# KiCad board board.kicad_pcb
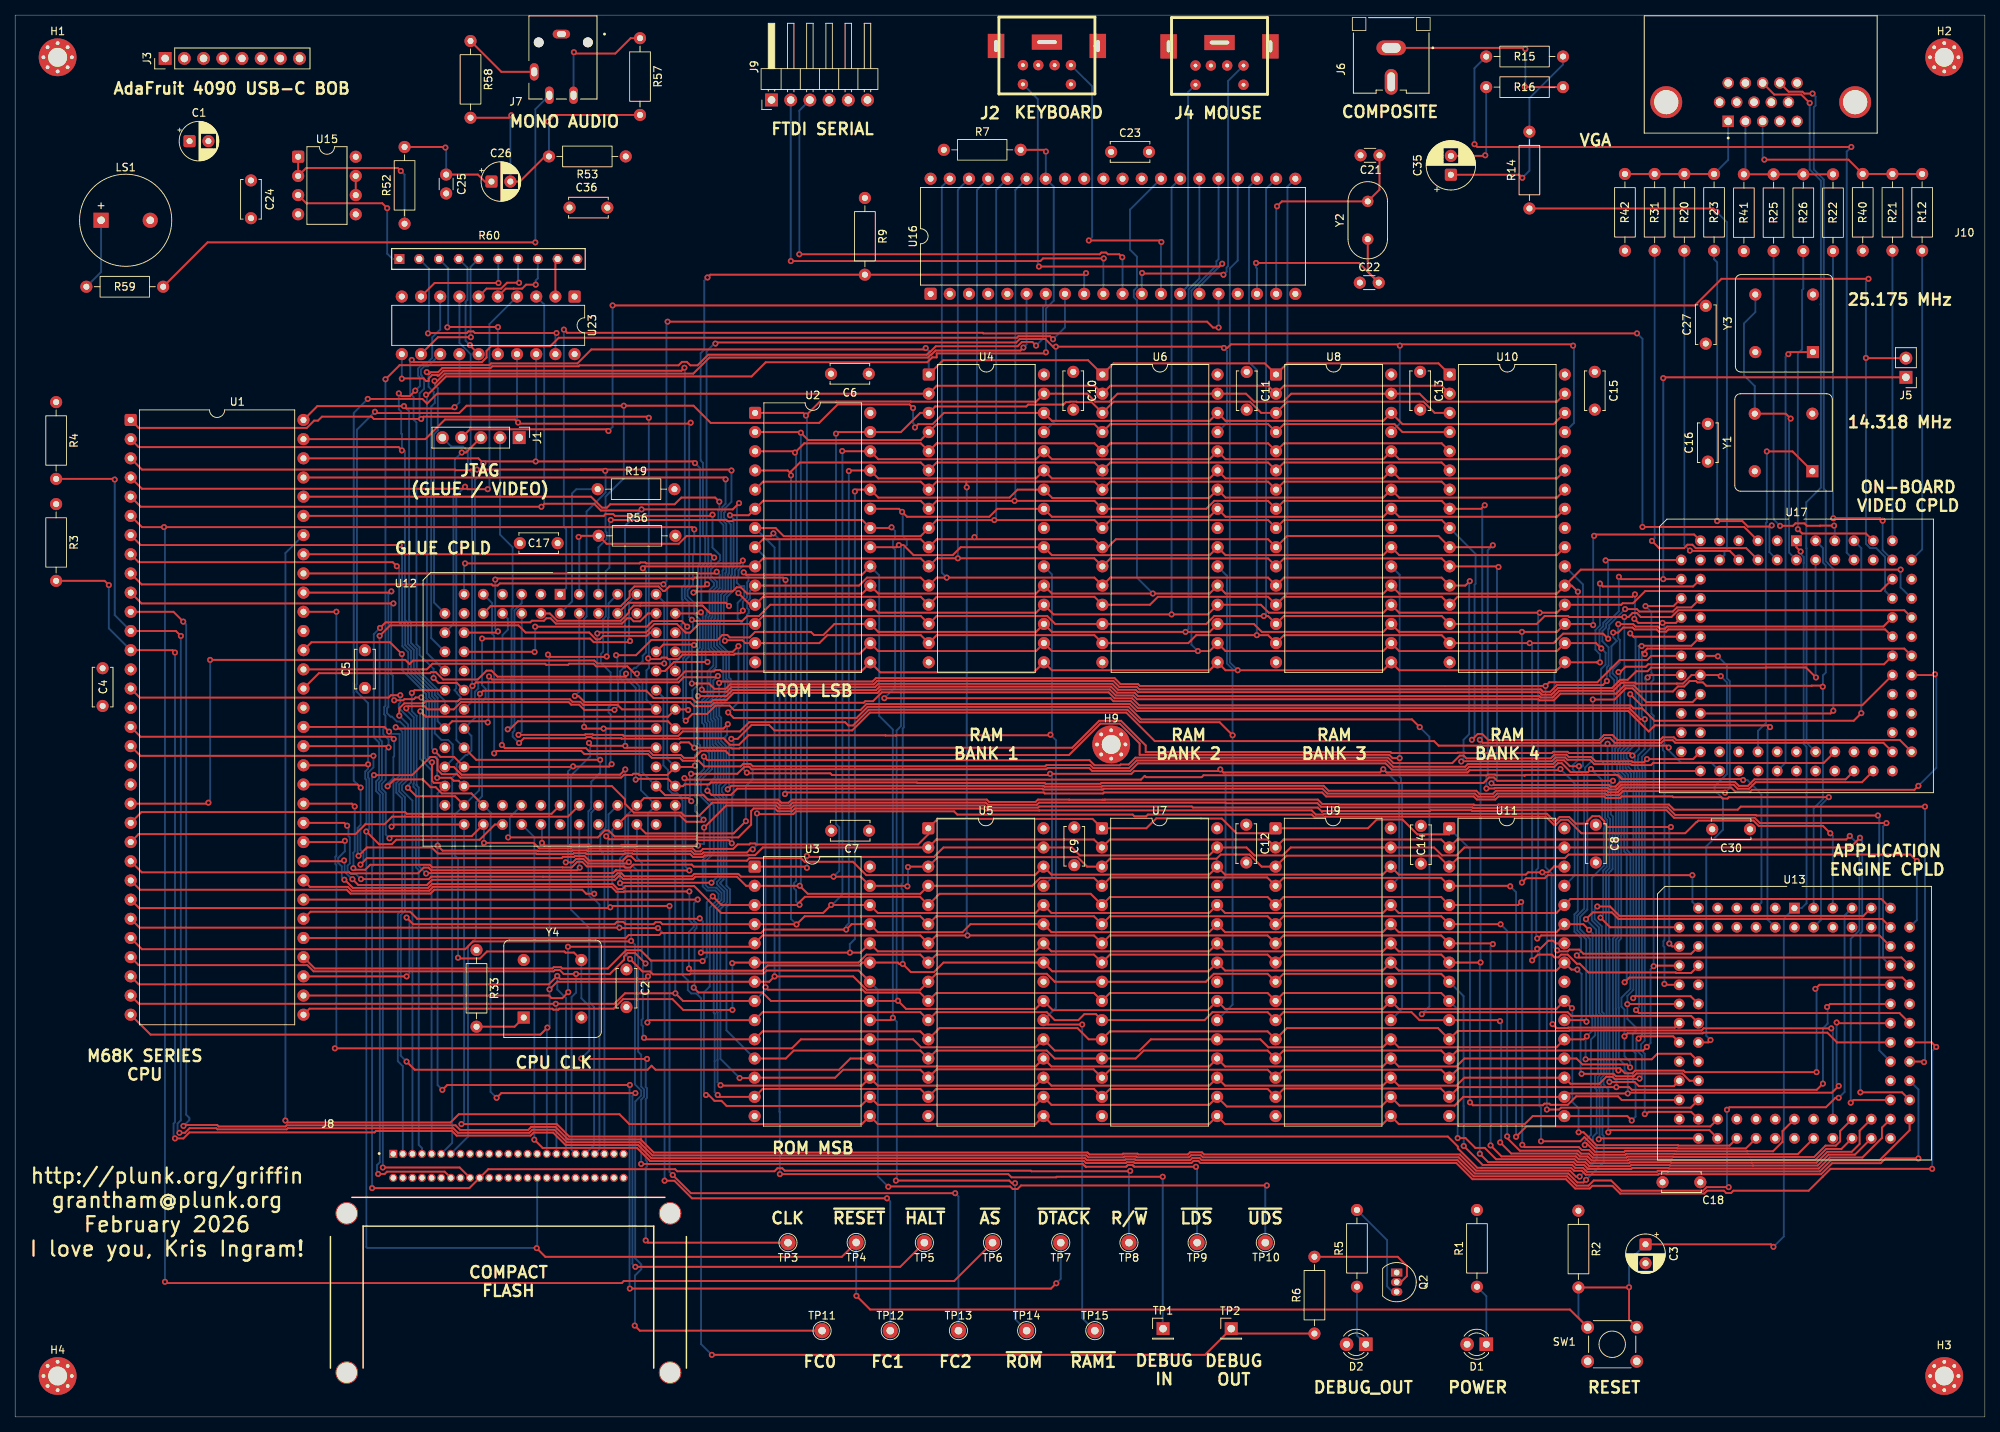
[diagram p0: board, top side]
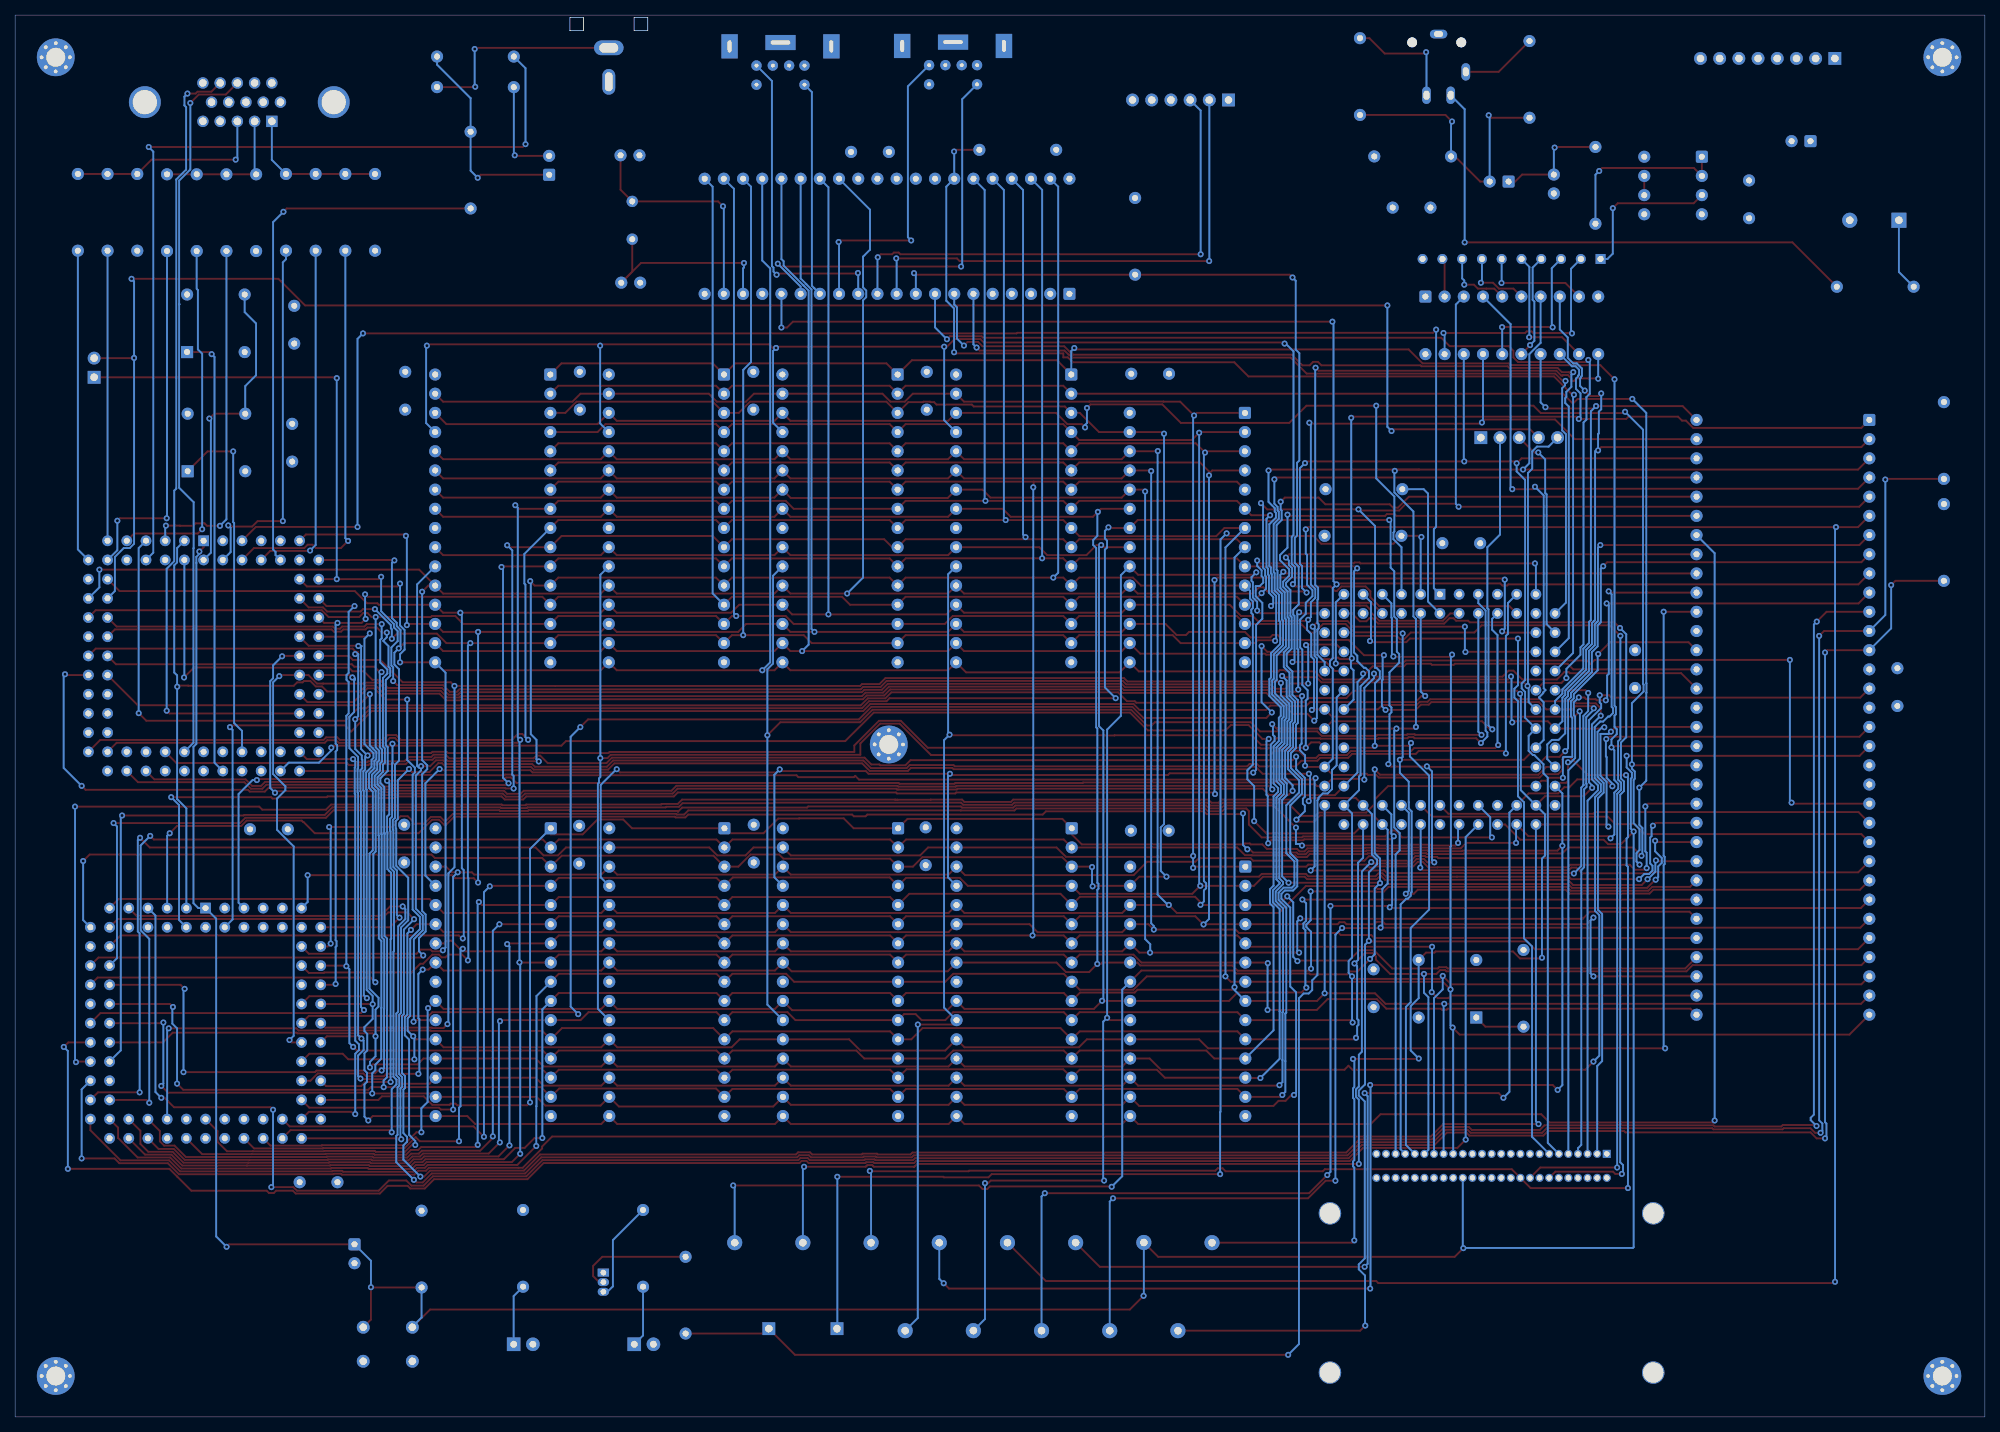
[diagram p1: board, bottom side, seen from below]

Outline 260.6 x 185.57 mm; copper layers: Top, In1.Cu, In2.Cu, Bottom. Coordinates in mm from the lower left corner of the outline.
Outline path: rectangle 0,185.57 260.6,0
Stack: Top 0.035mm / dielectric 0.1mm FR4 er 4.5 / In1.Cu 0.035mm / dielectric 1.24mm FR4 er 4.5 / In2.Cu 0.035mm / dielectric 0.1mm FR4 er 4.5 / Bottom 0.035mm

## Placement (name value [footprint] x y rotation side)
C1  10uF  [CP_Radial_D5.0mm_P2.50mm]  23.08 168.89 0 top
C2  100nF  [C_Disc_D5.0mm_W2.5mm_P5.00mm]  80.88 59.25 270 top
C3  10uF  [CP_Radial_D5.0mm_P2.50mm]  215.7 22.85 270 top
C4  100nF  [C_Disc_D5.0mm_W2.5mm_P5.00mm]  11.58 99.12 270 top
C5  100nF  [C_Disc_D5.0mm_W2.5mm_P5.00mm]  46.28 96.5 90 top
C6  100nF  [C_Disc_D5.0mm_W2.5mm_P5.00mm]  112.94 138.09 180 top
C7  100nF  [C_Disc_D5.0mm_W2.5mm_P5.00mm]  112.98 77.61 180 top
C8  100nF  [C_Disc_D5.0mm_W2.5mm_P5.00mm]  209.13 78.4 270 top
C9  100nF  [C_Disc_D5.0mm_W2.5mm_P5.00mm]  140.13 78.05 270 top
C10  100nF  [C_Disc_D5.0mm_W2.5mm_P5.00mm]  139.99 138.34 270 top
C11  100nF  [C_Disc_D5.0mm_W2.5mm_P5.00mm]  162.94 138.34 270 top
C12  100nF  [C_Disc_D5.0mm_W2.5mm_P5.00mm]  162.88 78.4 270 top
C13  100nF  [C_Disc_D5.0mm_W2.5mm_P5.00mm]  185.89 138.34 270 top
C14  100nF  [C_Disc_D5.0mm_W2.5mm_P5.00mm]  185.98 78.25 270 top
C15  100nF  [C_Disc_D5.0mm_W2.5mm_P5.00mm]  208.99 138.34 270 top
C16  100nF  [C_Disc_D5.0mm_W2.5mm_P5.00mm]  223.95 126.47 90 top
C17  100nF  [C_Disc_D5.0mm_W2.5mm_P5.00mm]  71.78 115.67 180 top
C18  100nF  [C_Disc_D5.0mm_W2.5mm_P5.00mm]  217.95 31.07 0 top
C21  15pF  [C_Disc_D3.0mm_W1.6mm_P2.50mm]  180.5 167.02 180 top
C22  15pF  [C_Disc_D3.0mm_W1.6mm_P2.50mm]  177.9 150.16 0 top
C23  100nF  [C_Disc_D5.0mm_W2.5mm_P5.00mm]  145 167.47 0 top
C24  100nF  [C_Disc_D5.0mm_W2.5mm_P5.00mm]  31.2 163.69 270 top
C25  10nF  [C_Disc_D3.0mm_W1.6mm_P2.50mm]  57.03 164.47 270 top
C26  100µF  [CP_Radial_D5.0mm_P2.50mm]  63.02 163.54 0 top
C27  100nF  [C_Disc_D5.0mm_W2.5mm_P5.00mm]  223.68 142.09 90 top
C30  100nF  [C_Disc_D5.0mm_W2.5mm_P5.00mm]  229.52 77.8 180 top
C35  220µF  [CP_Radial_D6.3mm_P2.50mm]  189.95 164.44 90 top
C36  100nF  [C_Disc_D5.0mm_W2.5mm_P5.00mm]  73.35 160.09 0 top
D1  GREEN  [LED_D3.0mm]  194.64 9.62 180 top
D2  RED  [LED_D3.0mm]  178.69 9.62 180 top
H1  MountingHole  [MountingHole_2.5mm_Pad_Via]  5.62 179.99 0 top
H2  MountingHole  [MountingHole_2.5mm_Pad_Via]  255.23 179.99 0 top
H3  MountingHole  [MountingHole_2.5mm_Pad_Via]  255.23 5.42 0 top
H4  MountingHole  [MountingHole_2.5mm_Pad_Via]  5.62 5.42 0 top
H9  MountingHole  [MountingHole_2.5mm_Pad_Via]  145.01 89.02 0 top
J1  Conn_01x05_Pin  [PinHeader_1x05_P2.54mm_Vertical]  66.69 129.64 270 top
J2  KEYBOARD  [Mini_din6]  136.51 180.22 180 top
J3  AdaFruit 4090 USB-C BOB  [PinHeader_1x08_P2.54mm_Vertical]  19.85 179.84 90 top
J4  MOUSE  [Mini_din6]  159.34 180.17 180 top
J5  VIDEO_JTAG_BYPASS  [PinHeader_1x02_P2.54mm_Vertical]  250.15 137.62 180 top
J6  COMPOSITE  [CUI_RCJ-044]  182.06 181.24 90 top
J7  STEREO_OUT  [SAMESKY_SJ3-35063B]  72.28 183.06 180 top
J8  CF Card  [SAMTEC_CFT-125-01-L-D-RA-01-SL]  65.26 26.95 0 top
J9  FTDI serial  [PinHeader_1x06_P2.54mm_Horizontal]  100.07 174.34 90 top
J10  VGA  [AMPHENOL_ICD15S13E4GX00LF]  230.94 174.05 180 top
LS1  Speaker  [MagneticBuzzer_StarMicronics_QMX]  11.38 158.42 0 top
Q2  PN2222A  [TO-92_Inline]  182.77 19.11 270 top
R1  100  [R_Axial_DIN0207_L6.3mm_D2.5mm_P10.16mm_Horizontal]  193.4 17.23 90 top
R2  10K  [R_Axial_DIN0207_L6.3mm_D2.5mm_P10.16mm_Horizontal]  206.82 27.3 270 top
R3  100K  [R_Axial_DIN0207_L6.3mm_D2.5mm_P10.16mm_Horizontal]  5.42 120.84 270 top
R4  100K  [R_Axial_DIN0207_L6.3mm_D2.5mm_P10.16mm_Horizontal]  5.42 134.34 270 top
R5  100  [R_Axial_DIN0207_L6.3mm_D2.5mm_P10.16mm_Horizontal]  177.52 17.23 90 top
R6  10k  [R_Axial_DIN0207_L6.3mm_D2.5mm_P10.16mm_Horizontal]  171.9 11.04 90 top
R7  10K  [R_Axial_DIN0207_L6.3mm_D2.5mm_P10.16mm_Horizontal]  122.87 167.74 0 top
R9  10K  [R_Axial_DIN0207_L6.3mm_D2.5mm_P10.16mm_Horizontal]  112.43 161.37 270 top
R12  560  [R_Axial_DIN0207_L6.3mm_D2.5mm_P10.16mm_Horizontal]  252.3 164.55 270 top
R14  1K  [R_Axial_DIN0207_L6.3mm_D2.5mm_P10.16mm_Horizontal]  200.34 159.98 90 top
R15  430  [R_Axial_DIN0207_L6.3mm_D2.5mm_P10.16mm_Horizontal]  194.62 180.09 0 top
R16  33  [R_Axial_DIN0207_L6.3mm_D2.5mm_P10.16mm_Horizontal]  194.62 176.04 0 top
R19  10K  [R_Axial_DIN0207_L6.3mm_D2.5mm_P10.16mm_Horizontal]  77.07 122.81 0 top
R20  560  [R_Axial_DIN0207_L6.3mm_D2.5mm_P10.16mm_Horizontal]  220.84 164.55 270 top
R21  270  [R_Axial_DIN0207_L6.3mm_D2.5mm_P10.16mm_Horizontal]  248.37 164.55 270 top
R22  1100  [R_Axial_DIN0207_L6.3mm_D2.5mm_P10.16mm_Horizontal]  240.5 164.5 270 top
R23  1100  [R_Axial_DIN0207_L6.3mm_D2.5mm_P10.16mm_Horizontal]  224.77 164.55 270 top
R25  270  [R_Axial_DIN0207_L6.3mm_D2.5mm_P10.16mm_Horizontal]  232.64 164.5 270 top
R26  560  [R_Axial_DIN0207_L6.3mm_D2.5mm_P10.16mm_Horizontal]  236.57 164.5 270 top
R31  270  [R_Axial_DIN0207_L6.3mm_D2.5mm_P10.16mm_Horizontal]  216.91 164.55 270 top
R33  100K  [R_Axial_DIN0207_L6.3mm_D2.5mm_P10.16mm_Horizontal]  61.04 61.82 270 top
R40  150  [R_Axial_DIN0207_L6.3mm_D2.5mm_P10.16mm_Horizontal]  244.44 154.39 90 top
R41  150  [R_Axial_DIN0207_L6.3mm_D2.5mm_P10.16mm_Horizontal]  228.71 154.34 90 top
R42  150  [R_Axial_DIN0207_L6.3mm_D2.5mm_P10.16mm_Horizontal]  212.98 154.39 90 top
R52  1K  [R_Axial_DIN0207_L6.3mm_D2.5mm_P10.16mm_Horizontal]  51.53 157.96 90 top
R53  1K  [R_Axial_DIN0207_L6.3mm_D2.5mm_P10.16mm_Horizontal]  80.78 166.87 180 top
R56  10K  [R_Axial_DIN0207_L6.3mm_D2.5mm_P10.16mm_Horizontal]  77.19 116.64 0 top
R57  100  [R_Axial_DIN0207_L6.3mm_D2.5mm_P10.16mm_Horizontal]  82.68 182.52 270 top
R58  100  [R_Axial_DIN0207_L6.3mm_D2.5mm_P10.16mm_Horizontal]  60.25 182.15 270 top
R59  47  [R_Axial_DIN0207_L6.3mm_D2.5mm_P10.16mm_Horizontal]  9.42 149.62 0 top
R60  4610X-R2R-103LF  [BO_4610X]  50.84 153.29 0 top
SW1  RESET  [SW_TH_Tactile_Omron_B3F-106x]  214.55 7.37 180 top
TP1  Debug In  [PinHeader_1x01_P2.54mm_Vertical]  151.87 11.69 0 top
TP2  Debug Out  [PinHeader_1x01_P2.54mm_Vertical]  160.89 11.69 0 top
TP3  CLK  [TestPoint_THTPad_D2.0mm_Drill1.0mm]  102.25 23.06 180 top
TP4  ~{RESET}  [TestPoint_THTPad_D2.0mm_Drill1.0mm]  111.27 23.09 180 top
TP5  ~{HALT}  [TestPoint_THTPad_D2.0mm_Drill1.0mm]  120.29 23.06 180 top
TP6  ~{AS}  [TestPoint_THTPad_D2.0mm_Drill1.0mm]  129.31 23.06 180 top
TP7  ~{DTACK}  [TestPoint_THTPad_D2.0mm_Drill1.0mm]  138.34 23.06 180 top
TP8  R/~{W}  [TestPoint_THTPad_D2.0mm_Drill1.0mm]  147.36 23.06 180 top
TP9  ~{LDS}  [TestPoint_THTPad_D2.0mm_Drill1.0mm]  156.38 23.06 180 top
TP10  ~{UDS}  [TestPoint_THTPad_D2.0mm_Drill1.0mm]  165.4 23.06 180 top
TP11  FC0  [TestPoint_THTPad_D2.0mm_Drill1.0mm]  106.76 11.42 0 top
TP12  FC1  [TestPoint_THTPad_D2.0mm_Drill1.0mm]  115.78 11.42 0 top
TP13  FC2  [TestPoint_THTPad_D2.0mm_Drill1.0mm]  124.8 11.42 0 top
TP14  ~{ROM_SELECT}  [TestPoint_THTPad_D2.0mm_Drill1.0mm]  133.82 11.42 0 top
TP15  ~{RAM_SELECT_1}  [TestPoint_THTPad_D2.0mm_Drill1.0mm]  142.85 11.42 0 top
U1  MC68000P  [DIP-64_W22.86mm]  15.29 131.98 0 top
U2  ROM LO  [DIP-28_W15.24mm]  97.9 132.92 0 top
U3  ROM HI  [DIP-28_W15.24mm]  97.84 72.84 0 top
U4  RAM 1 LO  [DIP-32_W15.24mm]  120.87 138 0 top
U5  RAM 1 HI  [DIP-32_W15.24mm]  120.81 77.93 0 top
U6  RAM 2 LO  [DIP-32_W15.24mm]  143.84 138 0 top
U7  RAM 2 HI  [DIP-32_W15.24mm]  143.78 77.93 0 top
U8  RAM 3 LO  [DIP-32_W15.24mm]  166.82 138 0 top
U9  RAM 3 HI  [DIP-32_W15.24mm]  166.76 77.93 0 top
U10  RAM 4 LO  [DIP-32_W15.24mm]  189.79 138 0 top
U11  RAM 4 HI  [DIP-32_W15.24mm]  189.73 77.93 0 top
U12  GLUE  [PLCC-84_THT-Socket]  72.1 108.91 0 top
U13  ENGINE  [PLCC-84_THT-Socket]  235.4 67.36 0 top
U15  LM358  [DIP-8_W7.62mm]  37.44 166.82 0 top
U16  AT89x51xxP  [DIP-40_W15.24mm]  121.12 148.68 90 top
U17  VIDEO  [PLCC-84_THT-Socket]  235.67 115.99 0 top
U23  74HC373  [DIP-20_W7.62mm]  74.02 148.31 270 top
Y1  14.318MHz  [Oscillator_DIP-8]  237.77 125.19 90 top
Y2  11.0592MHz  [Resonator-2Pin_W10.0mm_H5.0mm]  178.95 155.92 90 top
Y3  25.175MHz  [Oscillator_DIP-8]  237.85 140.97 90 top
Y4  12MHz  [Oscillator_DIP-8]  67.29 52.87 0 top

## Library data of the parts
C1-C18 C21-C27 C30 C35 C36 = -: Description: Unpolarized capacitor; ki_fp_filters: C_*
D1 D2 = -: Description: POWER LED; Sim.Pins: 1=K 2=A; ki_fp_filters: LED* LED_SMD:* LED_THT:*
H1-H4 H9 = -: Description: Mounting Hole with connection; ki_fp_filters: MountingHole*Pad*
J1 = -: Description: Generic connector, single row, 01x05, script generated; ki_fp_filters: Connector*:*_1x??_*
J2 J4 = -: Datasheet: http://service.powerdynamics.com/ec/Catalog17/Section%2011.pdf; Description: KMDGX-6S-BS
J3 = -: Description: Generic connector, single row, 01x08, script generated (kicad-library-utils/schlib/autogen/connector/); ki_fp_filters: Connector*:*_1x??_*
J5 = -: Description: Generic connector, single row, 01x02, script generated; ki_fp_filters: Connector*:*_1x??_*
J6 = -: Description: coaxial connector (BNC, SMA, SMB, SMC, Cinch/RCA, LEMO, ...); ki_fp_filters: *BNC* *SMA* *SMB* *SMC* *Cinch* *LEMO* *UMRF* *MCX* *U.FL*
J7 = -: PARTREV: 1.0; STANDARD: Manufacturer Recommendations; MAXIMUM_PACKAGE_HEIGHT: 5.325mm; MANUFACTURER: Same Sky
J8 = -: PARTREV: A; STANDARD: Manufacturer Recommendations; MAXIMUM_PACKAGE_HEIGHT: 6.35 mm; MANUFACTURER: Samtec
J9 = -: Description: Generic connector, single row, 01x06, script generated; ki_fp_filters: Connector*:*_1x??_*
J10 = -: Description: 15-pin D-SUB connector, socket (female), High density (3 columns), Triple Row, Generic, VGA-connector, Mounting Hole; DigiKey: https://www.digikey.com/en/products/detail/amphenol-cs-fci/ICD15S13E4GX00LF/1536501; PARTREV: G; STANDARD: Manufacturer Recommendations; MAXIMUM_PACKAGE_HEIGHT: 12.96mm; MANUFACTURER: Amphenol
Q2 = -: Datasheet: https://www.onsemi.com/pub/Collateral/PN2222-D.PDF; Description: 1A Ic, 40V Vce, NPN Transistor, General Purpose Transistor, TO-92; Sim.Device: NPN; Sim.Pins: 1=E 2=B 3=C; ki_fp_filters: TO?92*
R1-R7 R9 R14-R16 R19 R33 R52 R53 R56-R59 = -: Description: Resistor; ki_fp_filters: R_*
R12 R20 R26 = -: Description: Resistor 560 ohms 1% tolerance; Package: 0603; Type: SMD; ki_fp_filters: R_*
R21 R25 R31 = -: Description: Resistor 270 ohms 0.5% tolerance; Package: 0603; Type: SMD; ki_fp_filters: R_*
R22 R23 = -: Description: Resistor 1100 ohms 1% tolerance; Package: 0603; Type: SMD; ki_fp_filters: R_*
R40-R42 = -: Description: resistor 150 ohms 5%; Package: 0603; Type: SMD; ki_fp_filters: R_*
R60 = -: Digikey: https://www.digikey.com/en/products/detail/bourns-inc/4610X-R2R-103LF/3787967; ki_fp_filters: BO_4610X
SW1 = -: Description: Push button switch, generic, two pins - https://www.digikey.com/en/products/detail/omron-electronics-inc-emc-div/B3F-1060/1811725
TP1-TP15 = -: Description: test point; ki_fp_filters: Pin* Test*
U1 = -: Datasheet: https://www.nxp.com/docs/en/reference-manual/MC68000UM.pdf; Description: 16/32-bit microprocessor, 16-bit external data bus, 23-bit external address bus (effectively 24-bit), DIP-64 (900 mil, case 754-01); ki_fp_filters: DIP*W22.86mm*
U2 U3 = -: Datasheet: http://ww1.microchip.com/downloads/en/DeviceDoc/doc0015.pdf; Description: OTP EPROM 512 KiBit; ki_fp_filters: DIP*W15.24mm*
U4-U11 = -: Datasheet: https://www.alliancememory.com/wp-content/uploads/pdf/AS6C4008.pdf; Description: 512K x 8 Low Power CMOS RAM, DIP-32; ki_fp_filters: DIP*W15.24mm*
U12 U13 U17 = -: Datasheet: https://ww1.microchip.com/downloads/en/DeviceDoc/doc0784.pdf; Description: Atmel/Microchip CPLD, 128 Macrocell, 5V supply, PLCC-84; ki_fp_filters: *PLCC*29.3*x29.3*mm?P1.27mm*
U15 = -: Datasheet: http://www.ti.com/lit/ds/symlink/lm2904-n.pdf; Description: Low-Power, Dual Operational Amplifiers, DIP-8/SOIC-8/TO-99-8; ki_fp_filters: SOIC*3.9x4.9mm*P1.27mm* DIP*W7.62mm* TO*99* OnSemi*Micro8* TSSOP*3x3mm*P0.65mm* TSSOP*4.4x3mm*P0.65mm* MSOP*3x3mm*P0.65mm* SSOP*3.9x4.9mm*P0.635mm* LFCSP*2x2mm*P0.5mm* *SIP* SOIC*5.3x6.2mm*P1.27mm*
U16 = -: Datasheet: https://ww1.microchip.com/downloads/en/DeviceDoc/doc2487.pdf; Description: 8-bit Microcontroller with 4K Bytes Flash, DIP-40; ki_fp_filters: DIP*40*W15.24*
U23 = -: Datasheet: https://www.ti.com/lit/ds/symlink/cd54hc373.pdf; Description: 8-bit Latch, 3-state outputs; ki_fp_filters: DIP?20* SOIC?20* SO?20* SSOP?20* TSSOP?20*
Y1 = -: Datasheet: http://cdn-reichelt.de/documents/datenblatt/B400/OSZI.pdf; Description: Crystal Clock Oscillator, DIP8-style metal package; Digikey: https://www.digikey.com/en/products/detail/shenzhen-sctf-electronics/SXOA14-31818A20F30TNN/25795979; ki_fp_filters: Oscillator*DIP*8*
Y2 = -: Description: Two pin crystal - https://www.digikey.com/en/products/detail/ecs-inc/ECS-110-5-20-4X-EN/15777850; ki_fp_filters: Crystal*
Y3 = -: Datasheet: http://cdn-reichelt.de/documents/datenblatt/B400/OSZI.pdf; Description: Crystal Clock Oscillator, DIP8-style metal package; Digikey: https://www.digikey.com/en/products/detail/shenzhen-sctf-electronics/SXOA25-175A20F30TNN/25795923?s=N4IgjCBcpgbFoDGUBmBDANgZwKYBoQB7KAbRACYBOAFgAZZKQBdAgBwBcoQBldgJwCWAOwDmIAL4Fq8aCGSR02fEVIUArAHZ6zNp0g9%2BwsZJAMEc1JlwFikMtTBgAHJQ06QHLr0GiJBDRCy8orWKnYgAMwRYGpObiweegY%2BxgSOtObBVsq2ZBHU1OS0GQme%2Bt5GfuBOEZmWSjaqheQalIylSRW%2BJuRq5HUK2Y3h5GDksGDxul6G3QS9tUH1obkUE9TuZcmVPRoySMs5quTUlJMQHTMpVVpuS4MNYWQX0%2BWzqeCOgQcPK6oviSuOzSY2%2BFl%2BR3CMTiERKr22c3AETUG3uIUhz02nXeVRixQG6OGz1OtH6lze1xMYEoLgJQyeIBKPVolH6aPpqwBWy6H1Gagy7Meq16ADpJmoAAQAWQAEgAvLFcACqQgE7AA8igpTg0FgAK58HBVchRJx0oWqKL8yhwwEU4EgAC0YKyFvCsT6zBMjtRP0JDNgESoZO9anNfyh8XE0aAA; ki_fp_filters: Oscillator*DIP*8*
Y4 = -: Datasheet: http://cdn-reichelt.de/documents/datenblatt/B400/OSZI.pdf; Description: Crystal Clock Oscillator, DIP8-style metal package; Digikey: https://www.digikey.com/en/products/detail/shenzhen-sctf-electronics/SXOA12-000A20F30TNN/25795929; ki_fp_filters: Oscillator*DIP*8*

## Footprints (pads in the part's own frame, mm; a bottom-side part is the same pattern mirrored in y, then rotated)
AMPHENOL_ICD15S13E4GX00LF
  rect 1.508x1.508 hole 1: 1(4.305,2.54)
  round 1.508 hole 1: 2(2.025,2.54) 3(-0.255,2.54) 4(-2.535,2.54) 5(-4.815,2.54) 6(5.445,0) 7(3.165,0) 8(0.885,0) 9(-1.395,0) 10(-3.675,0) 11(4.305,-2.54) 12(2.025,-2.54) 13(-0.255,-2.54) 14(-2.535,-2.54) 15(-4.815,-2.54)
  round 4.216 hole 3.2: S1(-12.495,0) S2(12.495,0)
BO_4610X
  rect 1.321x1.321 hole 0.813: 1(0,0)
  round 1.321 hole 0.813: 2(2.616,0) 3(5.232,0) 4(7.849,0) 5(10.465,0) 6(13.081,0) 7(15.697,0) 8(18.313,0) 9(20.93,0) 10(23.546,0)
C_Disc_D3.0mm_W1.6mm_P2.50mm
  round 1.6 hole 0.8: 1(0,0) 2(2.5,0)
C_Disc_D5.0mm_W2.5mm_P5.00mm
  round 1.6 hole 0.8: 1(0,0) 2(5,0)
CP_Radial_D5.0mm_P2.50mm
  rrect 1.6x1.6 hole 0.8: 1(0,0)
  round 1.6 hole 0.8: 2(2.5,0)
CP_Radial_D6.3mm_P2.50mm
  rrect 1.6x1.6 hole 0.8: 1(0,0)
  round 1.6 hole 0.8: 2(2.5,0)
CUI_RCJ-044
  oval 1.95x3.9 hole 1.3x2.5: 1(0,0)
  oval 3.4x1.7 hole 2.5x1: 2(-4.5,0)
DIP-8_W7.62mm
  rrect 1.6x1.6 hole 0.8: 1(0,0)
  round 1.6 hole 0.8: 2(0,-2.54) 3(0,-5.08) 4(0,-7.62) 5(7.62,-7.62) 6(7.62,-5.08) 7(7.62,-2.54) 8(7.62,0)
DIP-20_W7.62mm
  rrect 1.6x1.6 hole 0.8: 1(0,0)
  round 1.6 hole 0.8: 2(0,-2.54) 3(0,-5.08) 4(0,-7.62) 5(0,-10.16) 6(0,-12.7) 7(0,-15.24) 8(0,-17.78) 9(0,-20.32) 10(0,-22.86) 11(7.62,-22.86) 12(7.62,-20.32) 13(7.62,-17.78) 14(7.62,-15.24) 15(7.62,-12.7) 16(7.62,-10.16) 17(7.62,-7.62) 18(7.62,-5.08) 19(7.62,-2.54) 20(7.62,0)
DIP-28_W15.24mm
  rrect 1.6x1.6 hole 0.8: 1(0,0)
  round 1.6 hole 0.8: 2(0,-2.54) 3(0,-5.08) 4(0,-7.62) 5(0,-10.16) 6(0,-12.7) 7(0,-15.24) 8(0,-17.78) 9(0,-20.32) 10(0,-22.86) 11(0,-25.4) 12(0,-27.94) 13(0,-30.48) 14(0,-33.02) 15(15.24,-33.02) 16(15.24,-30.48) 17(15.24,-27.94) 18(15.24,-25.4) 19(15.24,-22.86) 20(15.24,-20.32) 21(15.24,-17.78) 22(15.24,-15.24) 23(15.24,-12.7) 24(15.24,-10.16) 25(15.24,-7.62) 26(15.24,-5.08) 27(15.24,-2.54) 28(15.24,0)
DIP-32_W15.24mm
  rrect 1.6x1.6 hole 0.8: 1(0,0)
  round 1.6 hole 0.8: 2(0,-2.54) 3(0,-5.08) 4(0,-7.62) 5(0,-10.16) 6(0,-12.7) 7(0,-15.24) 8(0,-17.78) 9(0,-20.32) 10(0,-22.86) 11(0,-25.4) 12(0,-27.94) 13(0,-30.48) 14(0,-33.02) 15(0,-35.56) 16(0,-38.1) 17(15.24,-38.1) 18(15.24,-35.56) 19(15.24,-33.02) 20(15.24,-30.48) 21(15.24,-27.94) 22(15.24,-25.4) 23(15.24,-22.86) 24(15.24,-20.32) 25(15.24,-17.78) 26(15.24,-15.24) 27(15.24,-12.7) 28(15.24,-10.16) 29(15.24,-7.62) 30(15.24,-5.08) 31(15.24,-2.54) 32(15.24,0)
DIP-40_W15.24mm
  rrect 1.6x1.6 hole 0.8: 1(0,0)
  round 1.6 hole 0.8: 2(0,-2.54) 3(0,-5.08) 4(0,-7.62) 5(0,-10.16) 6(0,-12.7) 7(0,-15.24) 8(0,-17.78) 9(0,-20.32) 10(0,-22.86) 11(0,-25.4) 12(0,-27.94) 13(0,-30.48) 14(0,-33.02) 15(0,-35.56) 16(0,-38.1) 17(0,-40.64) 18(0,-43.18) 19(0,-45.72) 20(0,-48.26) 21(15.24,-48.26) 22(15.24,-45.72) 23(15.24,-43.18) 24(15.24,-40.64) 25(15.24,-38.1) 26(15.24,-35.56) 27(15.24,-33.02) 28(15.24,-30.48) 29(15.24,-27.94) 30(15.24,-25.4) 31(15.24,-22.86) 32(15.24,-20.32) 33(15.24,-17.78) 34(15.24,-15.24) 35(15.24,-12.7) 36(15.24,-10.16) 37(15.24,-7.62) 38(15.24,-5.08) 39(15.24,-2.54) 40(15.24,0)
DIP-64_W22.86mm
  rrect 1.6x1.6 hole 0.8: 1(0,0)
  round 1.6 hole 0.8: 2(0,-2.54) 3(0,-5.08) 4(0,-7.62) 5(0,-10.16) 6(0,-12.7) 7(0,-15.24) 8(0,-17.78) 9(0,-20.32) 10(0,-22.86) 11(0,-25.4) 12(0,-27.94) 13(0,-30.48) 14(0,-33.02) 15(0,-35.56) 16(0,-38.1) 17(0,-40.64) 18(0,-43.18) 19(0,-45.72) 20(0,-48.26) 21(0,-50.8) 22(0,-53.34) 23(0,-55.88) 24(0,-58.42) 25(0,-60.96) 26(0,-63.5) 27(0,-66.04) 28(0,-68.58) 29(0,-71.12) 30(0,-73.66) 31(0,-76.2) 32(0,-78.74) 33(22.86,-78.74) 34(22.86,-76.2) 35(22.86,-73.66) 36(22.86,-71.12) 37(22.86,-68.58) 38(22.86,-66.04) 39(22.86,-63.5) 40(22.86,-60.96) 41(22.86,-58.42) 42(22.86,-55.88) 43(22.86,-53.34) 44(22.86,-50.8) 45(22.86,-48.26) 46(22.86,-45.72) 47(22.86,-43.18) 48(22.86,-40.64) 49(22.86,-38.1) 50(22.86,-35.56) 51(22.86,-33.02) 52(22.86,-30.48) 53(22.86,-27.94) 54(22.86,-25.4) 55(22.86,-22.86) 56(22.86,-20.32) 57(22.86,-17.78) 58(22.86,-15.24) 59(22.86,-12.7) 60(22.86,-10.16) 61(22.86,-7.62) 62(22.86,-5.08) 63(22.86,-2.54) 64(22.86,0)
LED_D3.0mm
  rect 1.8x1.8 hole 0.9: 1(0,0)
  round 1.8 hole 0.9: 2(2.54,0)
MagneticBuzzer_StarMicronics_QMX
  rect 2x2 hole 1: 1(0,0)
  round 2 hole 1: 2(6.5,0)
Mini_din6
  round 1.372 hole 0.508: 1(3.175,3.81) 2(3.175,1.27) 3(1.143,1.27) 4(-1.016,1.27) 5(-3.175,1.27) 6(-3.175,3.81)
  rect 2.169x3.2 hole 0.508x1.6: 7(-6.735,-1.27) 7(6.735,-1.27)
  rect 4x1.999 hole 2.6x0.508: 7(0,-1.778)
MountingHole_2.5mm_Pad_Via
  round 0.8 hole 0.5: 1(-1.875,0) 1(-1.326,1.326) 1(-1.326,-1.326) 1(0,1.875) 1(0,-1.875) 1(1.326,1.326) 1(1.326,-1.326) 1(1.875,0)
  round 5 hole 2.5: 1(0,0)
Oscillator_DIP-8
  rect 1.6x1.6 hole 0.8: 1(0,0)
  round 1.6 hole 0.8: 4(7.62,0) 5(7.62,7.62) 8(0,7.62)
PinHeader_1x01_P2.54mm_Vertical
  rect 1.7x1.7 hole 1: 1(0,0)
PinHeader_1x02_P2.54mm_Vertical
  rect 1.7x1.7 hole 1: 1(0,0)
  round 1.7 hole 1: 2(0,-2.54)
PinHeader_1x05_P2.54mm_Vertical
  rect 1.7x1.7 hole 1: 1(0,0)
  round 1.7 hole 1: 2(0,-2.54) 3(0,-5.08) 4(0,-7.62) 5(0,-10.16)
PinHeader_1x06_P2.54mm_Horizontal
  rect 1.7x1.7 hole 1: 1(0,0)
  round 1.7 hole 1: 2(0,-2.54) 3(0,-5.08) 4(0,-7.62) 5(0,-10.16) 6(0,-12.7)
PinHeader_1x08_P2.54mm_Vertical
  rect 1.7x1.7 hole 1: 1(0,0)
  round 1.7 hole 1: 2(0,-2.54) 3(0,-5.08) 4(0,-7.62) 5(0,-10.16) 6(0,-12.7) 7(0,-15.24) 8(0,-17.78)
PLCC-84_THT-Socket
  rect 1.422x1.422 hole 0.8: 1(0,0)
  round 1.422 hole 0.8: 2(0,-2.54) 3(-2.54,0) 4(-2.54,-2.54) 5(-5.08,0) 6(-5.08,-2.54) 7(-7.62,0) 8(-7.62,-2.54) 9(-10.16,0) 10(-10.16,-2.54) 11(-12.7,0) 12(-15.24,-2.54) 13(-12.7,-2.54) 14(-15.24,-5.08) 15(-12.7,-5.08) 16(-15.24,-7.62) 17(-12.7,-7.62) 18(-15.24,-10.16) 19(-12.7,-10.16) 20(-15.24,-12.7) 21(-12.7,-12.7) 22(-15.24,-15.24) 23(-12.7,-15.24) 24(-15.24,-17.78) 25(-12.7,-17.78) 26(-15.24,-20.32) 27(-12.7,-20.32) 28(-15.24,-22.86) 29(-12.7,-22.86) 30(-15.24,-25.4) 31(-12.7,-25.4) 32(-15.24,-27.94) 33(-12.7,-30.48) 34(-12.7,-27.94) 35(-10.16,-30.48) 36(-10.16,-27.94) 37(-7.62,-30.48) 38(-7.62,-27.94) 39(-5.08,-30.48) 40(-5.08,-27.94) 41(-2.54,-30.48) 42(-2.54,-27.94) 43(0,-30.48) 44(0,-27.94) 45(2.54,-30.48) 46(2.54,-27.94) 47(5.08,-30.48) 48(5.08,-27.94) 49(7.62,-30.48) 50(7.62,-27.94) 51(10.16,-30.48) 52(10.16,-27.94) 53(12.7,-30.48) 54(15.24,-27.94) 55(12.7,-27.94) 56(15.24,-25.4) 57(12.7,-25.4) 58(15.24,-22.86) 59(12.7,-22.86) 60(15.24,-20.32) 61(12.7,-20.32) 62(15.24,-17.78) 63(12.7,-17.78) 64(15.24,-15.24) 65(12.7,-15.24) 66(15.24,-12.7) 67(12.7,-12.7) 68(15.24,-10.16) 69(12.7,-10.16) 70(15.24,-7.62) 71(12.7,-7.62) 72(15.24,-5.08) 73(12.7,-5.08) 74(15.24,-2.54) 75(12.7,0) 76(12.7,-2.54) 77(10.16,0) 78(10.16,-2.54) 79(7.62,0) 80(7.62,-2.54) 81(5.08,0) 82(5.08,-2.54) 83(2.54,0) 84(2.54,-2.54)